# KiCad board SweetBusiness.kicad_pcb
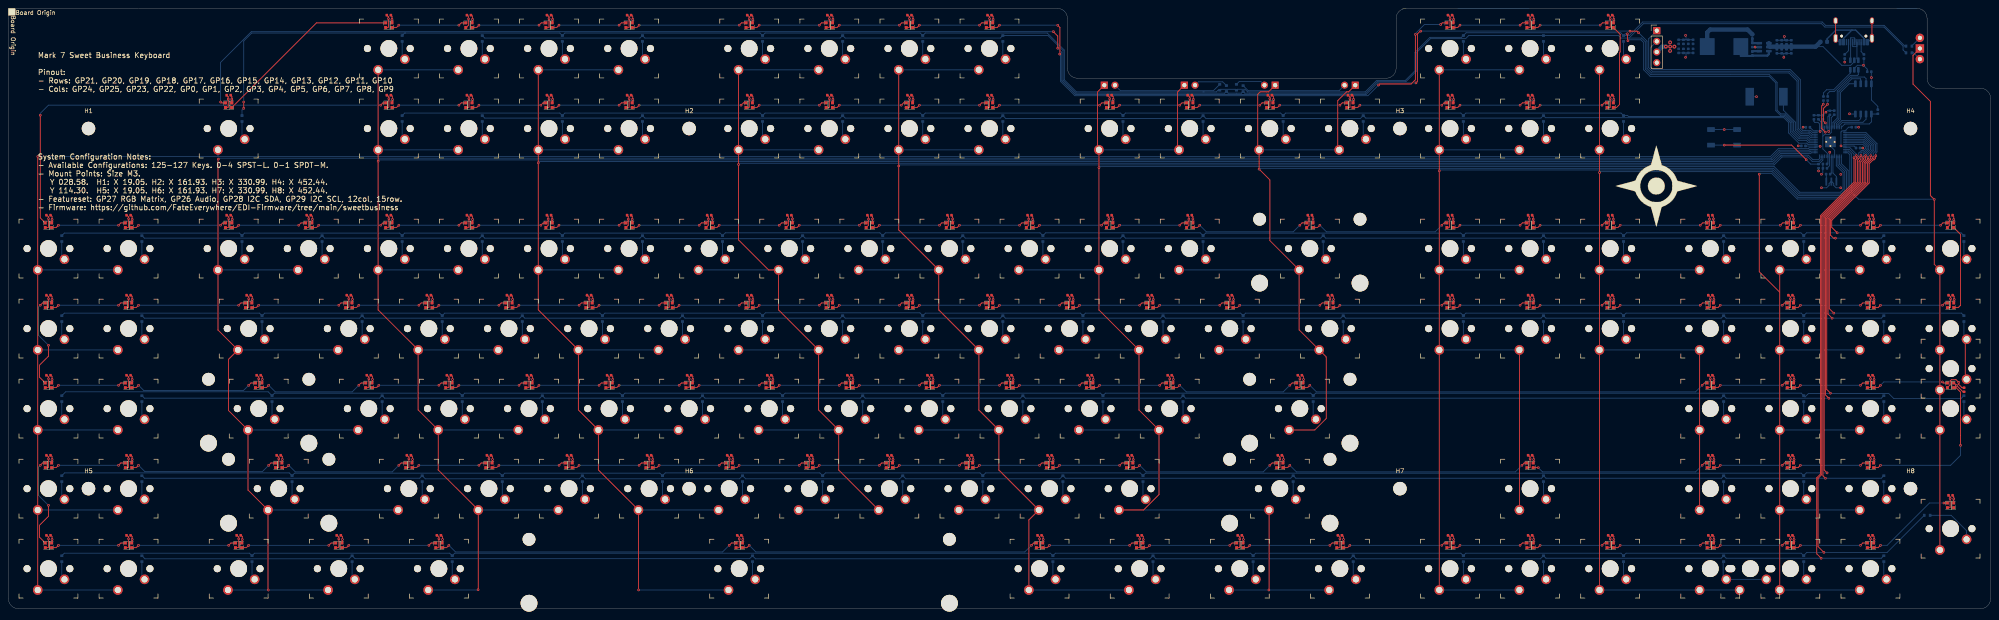
[diagram p0: board, top side]
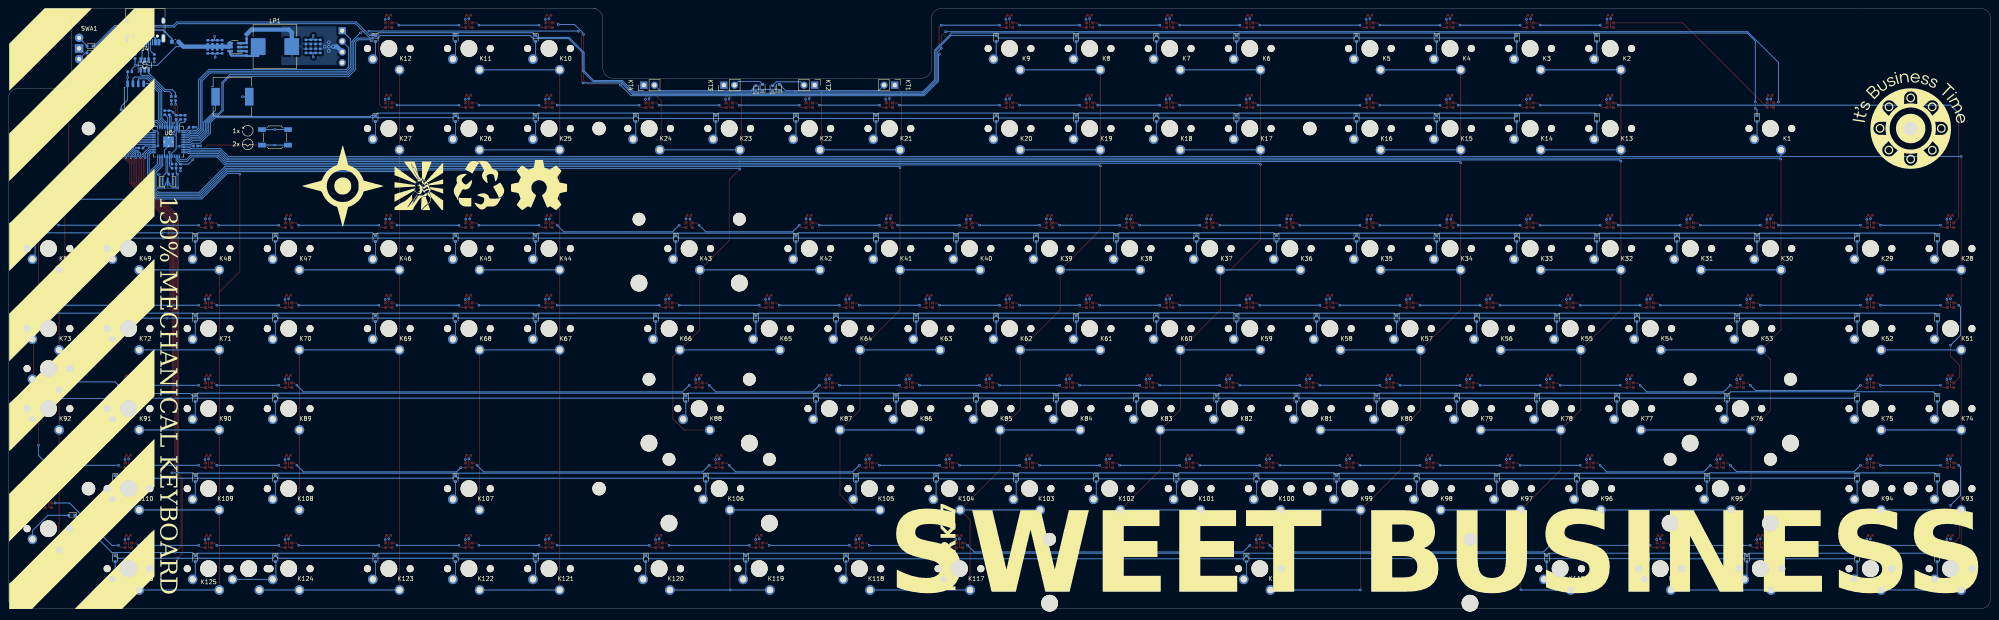
[diagram p1: board, bottom side, seen from below]

Outline 471.49 x 142.89 mm; copper layers: Top, In1.Cu (plane), In2.Cu (plane), Bottom. Coordinates in mm from the lower left corner of the outline.
Outline path: 30.96,142.88 2.38,142.88 arc(0.7,142.18) 0,140.49 0,2.38 arc(0.7,0.7) 2.38,0 469.11,0 arc(470.79,0.7) 471.49,2.38 471.49,121.5 arc(470.79,123.18) 469.11,123.88 458.77,123.88 ; 31.01,142.88 249.56,142.88 arc(251.21,142.19) 251.9,140.53 251.9,128.68 arc(252.6,126.98) 254.3,126.28 327.7,126.28 ; 330.09,128.68 330.09,140.49 arc(330.78,142.18) 332.47,142.88 ; 330.09,128.66 arc(329.39,126.97) 327.71,126.28 ; 331.56,142.88 454,142.89 arc(455.68,142.2) 456.38,140.51 ; 456.38,140.55 456.38,126.26 arc(457.08,124.57) 458.76,123.88
Stack: Top 0.035mm / dielectric 0.5mm FR4 er 4.5 / In1.Cu 0.035mm / dielectric 0.5mm FR4 er 4.5 / In2.Cu 0.035mm / dielectric 0.5mm FR4 er 4.5 / Bottom 0.035mm

## Placement (name value [footprint] x y rotation side)
C1  100nF  [Passive_0402_1005Metric]  433.25 118.05 90 bottom
C2  100nF  [Passive_0402_1005Metric]  438.94 114.62 0 bottom
C3  100nF  [Passive_0402_1005Metric]  439.96 109.66 0 bottom
C4  100nF  [Passive_0402_1005Metric]  432.09 104.84 180 bottom
C5  100nF  [Passive_0402_1005Metric]  426.97 110.16 180 bottom
C6  100nF  [Passive_0402_1005Metric]  428.02 114.59 180 bottom
C7  100nF  [Passive_0402_1005Metric]  429.47 116.98 90 bottom
C8  1uf  [Passive_0402_1005Metric]  430.54 116.98 90 bottom
C9  1uf  [Passive_0402_1005Metric]  431.6 116.98 90 bottom
C10  100nF  [Passive_0402_1005Metric]  432.09 105.85 180 bottom
C11  100nF  [Passive_0402_1005Metric]  434.3 118.07 90 bottom
CF1  100nF  [Passive_0402_1005Metric]  442.63 127.83 180 bottom
CP1  100nF  [Passive_0402_1005Metric]  414.81 132.14 270 bottom
CP2  22uf  [Passive_0402_1005Metric]  420.66 134.84 270 bottom
CP3  22uf  [Passive_0402_1005Metric]  421.8 134.84 270 bottom
CP4  22uf  [Passive_0402_1005Metric]  422.94 134.84 270 bottom
CP5  22uf  [Passive_0402_1005Metric]  424.08 134.84 270 bottom
CP6  22uf  [Passive_0402_1005Metric]  420.66 132.68 90 bottom
CP7  22uf  [Passive_0402_1005Metric]  421.8 132.68 90 bottom
CP8  22uf  [Passive_0402_1005Metric]  422.94 132.68 90 bottom
CP9  22uf  [Passive_0402_1005Metric]  424.08 132.68 90 bottom
CP10  22uf  [Passive_0402_1005Metric]  400.72 134.94 90 bottom
CP11  22uf  [Passive_0402_1005Metric]  399.57 134.94 90 bottom
CP12  22uf  [Passive_0402_1005Metric]  398.43 134.94 90 bottom
CP13  22uf  [Passive_0402_1005Metric]  397.29 134.94 90 bottom
CP14  22uf  [Passive_0402_1005Metric]  400.72 132.78 270 bottom
CP15  22uf  [Passive_0402_1005Metric]  399.57 132.78 270 bottom
CP16  22uf  [Passive_0402_1005Metric]  398.43 132.78 270 bottom
CP17  22uf  [Passive_0402_1005Metric]  397.29 132.78 270 bottom
D1  SOD-523  [D_SOD-523]  55.56 116.68 270 bottom
D2  SOD-523  [D_SOD-523]  93.66 135.73 270 bottom
D3  SOD-523  [D_SOD-523]  112.71 135.73 270 bottom
D4  SOD-523  [D_SOD-523]  131.76 135.73 270 bottom
D5  SOD-523  [D_SOD-523]  150.81 135.73 270 bottom
D6  SOD-523  [D_SOD-523]  179.39 135.73 270 bottom
D7  SOD-523  [D_SOD-523]  198.44 135.73 270 bottom
D8  SOD-523  [D_SOD-523]  217.49 135.73 270 bottom
D9  SOD-523  [D_SOD-523]  236.54 135.73 270 bottom
D10  SOD-523  [D_SOD-523]  346.07 135.73 270 bottom
D11  SOD-523  [D_SOD-523]  365.12 135.73 270 bottom
D12  SOD-523  [D_SOD-523]  384.18 135.73 270 bottom
D13  SOD-523  [D_SOD-523]  93.66 116.68 270 bottom
D14  SOD-523  [D_SOD-523]  112.71 116.68 270 bottom
D15  SOD-523  [D_SOD-523]  131.76 116.68 270 bottom
D16  SOD-523  [D_SOD-523]  150.81 116.68 270 bottom
D17  SOD-523  [D_SOD-523]  179.39 116.68 270 bottom
D18  SOD-523  [D_SOD-523]  198.44 116.68 270 bottom
D19  SOD-523  [D_SOD-523]  217.49 116.68 270 bottom
D20  SOD-523  [D_SOD-523]  236.54 116.68 270 bottom
D21  SOD-523  [D_SOD-523]  265.11 116.68 270 bottom
D22  SOD-523  [D_SOD-523]  284.16 116.68 270 bottom
D23  SOD-523  [D_SOD-523]  303.21 116.68 270 bottom
D24  SOD-523  [D_SOD-523]  322.26 116.68 270 bottom
D25  SOD-523  [D_SOD-523]  346.07 116.68 270 bottom
D26  SOD-523  [D_SOD-523]  365.12 116.68 270 bottom
D27  SOD-523  [D_SOD-523]  384.18 116.68 270 bottom
D28  SOD-523  [D_SOD-523]  12.7 88.11 270 bottom
D29  SOD-523  [D_SOD-523]  31.75 88.11 270 bottom
D30  SOD-523  [D_SOD-523]  55.56 88.11 270 bottom
D31  SOD-523  [D_SOD-523]  74.61 88.11 270 bottom
D32  SOD-523  [D_SOD-523]  93.66 88.11 270 bottom
D33  SOD-523  [D_SOD-523]  112.71 88.11 270 bottom
D34  SOD-523  [D_SOD-523]  131.76 88.11 270 bottom
D35  SOD-523  [D_SOD-523]  150.81 88.11 270 bottom
D36  SOD-523  [D_SOD-523]  169.86 88.11 270 bottom
D37  SOD-523  [D_SOD-523]  188.91 88.11 270 bottom
D38  SOD-523  [D_SOD-523]  207.96 88.11 270 bottom
D39  SOD-523  [D_SOD-523]  227.01 88.11 270 bottom
D40  SOD-523  [D_SOD-523]  246.06 88.11 270 bottom
D41  SOD-523  [D_SOD-523]  265.11 88.11 270 bottom
D42  SOD-523  [D_SOD-523]  284.16 88.11 270 bottom
D43  SOD-523  [D_SOD-523]  312.74 88.11 270 bottom
D44  SOD-523  [D_SOD-523]  346.07 88.11 270 bottom
D45  SOD-523  [D_SOD-523]  365.12 88.11 270 bottom
D46  SOD-523  [D_SOD-523]  384.18 88.11 270 bottom
D47  SOD-523  [D_SOD-523]  407.99 88.11 270 bottom
D48  SOD-523  [D_SOD-523]  427.04 88.11 270 bottom
D49  SOD-523  [D_SOD-523]  446.09 88.11 270 bottom
D50  SOD-523  [D_SOD-523]  465.14 88.11 270 bottom
D51  SOD-523  [D_SOD-523]  12.7 69.06 270 bottom
D52  SOD-523  [D_SOD-523]  31.75 69.06 270 bottom
D53  SOD-523  [D_SOD-523]  60.33 69.06 270 bottom
D54  SOD-523  [D_SOD-523]  84.14 69.06 270 bottom
D55  SOD-523  [D_SOD-523]  103.19 69.06 270 bottom
D56  SOD-523  [D_SOD-523]  122.24 69.06 270 bottom
D57  SOD-523  [D_SOD-523]  141.29 69.06 270 bottom
D58  SOD-523  [D_SOD-523]  160.34 69.06 270 bottom
D59  SOD-523  [D_SOD-523]  179.39 69.06 270 bottom
D60  SOD-523  [D_SOD-523]  198.44 69.06 270 bottom
D61  SOD-523  [D_SOD-523]  217.49 69.06 270 bottom
D62  SOD-523  [D_SOD-523]  236.54 69.06 270 bottom
D63  SOD-523  [D_SOD-523]  255.59 69.06 270 bottom
D64  SOD-523  [D_SOD-523]  274.64 69.06 270 bottom
D65  SOD-523  [D_SOD-523]  293.69 69.06 270 bottom
D66  SOD-523  [D_SOD-523]  317.5 69.06 270 bottom
D67  SOD-523  [D_SOD-523]  346.07 69.06 270 bottom
D68  SOD-523  [D_SOD-523]  365.12 69.06 270 bottom
D69  SOD-523  [D_SOD-523]  384.18 69.06 270 bottom
D70  SOD-523  [D_SOD-523]  407.99 69.06 270 bottom
D71  SOD-523  [D_SOD-523]  427.04 69.06 270 bottom
D72  SOD-523  [D_SOD-523]  446.09 69.06 270 bottom
D73  SOD-523  [D_SOD-523]  465.14 69.06 270 bottom
D74  SOD-523  [D_SOD-523]  12.7 50.01 270 bottom
D75  SOD-523  [D_SOD-523]  31.75 50.01 270 bottom
D76  SOD-523  [D_SOD-523]  62.71 50.01 270 bottom
D77  SOD-523  [D_SOD-523]  88.9 50.01 270 bottom
D78  SOD-523  [D_SOD-523]  107.95 50.01 270 bottom
D79  SOD-523  [D_SOD-523]  127 50.01 270 bottom
D80  SOD-523  [D_SOD-523]  146.05 50.01 270 bottom
D81  SOD-523  [D_SOD-523]  165.1 50.01 270 bottom
D82  SOD-523  [D_SOD-523]  184.15 50.01 270 bottom
D83  SOD-523  [D_SOD-523]  203.2 50.01 270 bottom
D84  SOD-523  [D_SOD-523]  222.25 50.01 270 bottom
D85  SOD-523  [D_SOD-523]  241.3 50.01 270 bottom
D86  SOD-523  [D_SOD-523]  260.35 50.01 270 bottom
D87  SOD-523  [D_SOD-523]  279.4 50.01 270 bottom
D88  SOD-523  [D_SOD-523]  310.36 50.01 270 bottom
D89  SOD-523  [D_SOD-523]  407.99 50.01 270 bottom
D90  SOD-523  [D_SOD-523]  427.04 50.01 270 bottom
D91  SOD-523  [D_SOD-523]  446.09 50.01 270 bottom
D92  SOD-523  [D_SOD-523]  465.14 50.01 270 bottom
D93  SOD-523  [D_SOD-523]  12.7 30.96 270 bottom
D94  SOD-523  [D_SOD-523]  31.75 30.96 270 bottom
D95  SOD-523  [D_SOD-523]  67.47 30.96 270 bottom
D96  SOD-523  [D_SOD-523]  98.43 30.96 270 bottom
D97  SOD-523  [D_SOD-523]  117.47 30.96 270 bottom
D98  SOD-523  [D_SOD-523]  136.53 30.96 270 bottom
D99  SOD-523  [D_SOD-523]  155.57 30.96 270 bottom
D100  SOD-523  [D_SOD-523]  174.62 30.96 270 bottom
D101  SOD-523  [D_SOD-523]  193.68 30.96 270 bottom
D102  SOD-523  [D_SOD-523]  212.73 30.96 270 bottom
D103  SOD-523  [D_SOD-523]  231.77 30.96 270 bottom
D104  SOD-523  [D_SOD-523]  250.82 30.96 270 bottom
D105  SOD-523  [D_SOD-523]  269.88 30.96 270 bottom
D106  SOD-523  [D_SOD-523]  305.59 30.96 270 bottom
D107  SOD-523  [D_SOD-523]  365.12 30.96 270 bottom
D108  SOD-523  [D_SOD-523]  407.99 30.96 270 bottom
D109  SOD-523  [D_SOD-523]  427.04 30.96 270 bottom
D110  SOD-523  [D_SOD-523]  446.09 30.96 270 bottom
D111  SOD-523  [D_SOD-523]  12.7 11.91 270 bottom
D112  SOD-523  [D_SOD-523]  31.75 11.91 270 bottom
D113  SOD-523  [D_SOD-523]  57.94 11.91 270 bottom
D114  SOD-523  [D_SOD-523]  81.76 11.91 270 bottom
D115  SOD-523  [D_SOD-523]  105.57 11.91 270 bottom
D116  SOD-523  [D_SOD-523]  177.01 11.91 270 bottom
D117  SOD-523  [D_SOD-523]  248.44 11.91 270 bottom
D118  SOD-523  [D_SOD-523]  272.26 11.91 270 bottom
D119  SOD-523  [D_SOD-523]  296.07 11.91 270 bottom
D120  SOD-523  [D_SOD-523]  319.88 11.91 270 bottom
D121  SOD-523  [D_SOD-523]  346.07 11.91 270 bottom
D122  SOD-523  [D_SOD-523]  365.12 11.91 270 bottom
D123  SOD-523  [D_SOD-523]  384.18 11.91 270 bottom
D124  SOD-523  [D_SOD-523]  407.99 11.91 270 bottom
D125  SOD-523  [D_SOD-523]  427.04 11.91 270 bottom
D126  SOD-523  [D_SOD-523]  446.09 11.91 270 bottom
D127  SOD-523  [D_SOD-523]  456.41 22.23 0 bottom
DA1  SOD-523  [D_SOD-523]  452.07 133.91 0 bottom
DA2  SOD-523  [D_SOD-523]  452.07 132.31 0 bottom
DT1  SOD-523  [D_SOD-523]  288.13 124.11 90 bottom
DT2  SOD-523  [D_SOD-523]  289.72 123.83 90 bottom
DT3  SOD-523  [D_SOD-523]  292.1 124.11 90 bottom
DT4  SOD-523  [D_SOD-523]  293.69 123.81 90 bottom
F1  6v 500ma  [Fuse_0603_1608Metric]  431.8 134.94 180 bottom
G***  EDI  [EDILogo]  391.97 100.61 0 top
G***#2  LOGO  [BusinessTime]  19.05 114.3 180 bottom
G***#3  LOGO  [sweethaz]  454.02 71.44 180 bottom
G***#4  EDI  [EDILogo]  391.97 100.61 180 bottom
G***#5  LOGO  [hackpgh]  373.86 100.61 180 bottom
G***#6  LOGO  [repair]  359.57 100.81 180 bottom
H1  Mount  [MountingHole_3.2mm_M3]  19.05 114.3 0 top
H2  Mount  [MountingHole_3.2mm_M3]  161.93 114.3 0 top
H3  Mount  [MountingHole_3.2mm_M3]  330.99 114.3 0 top
H4  Mount  [MountingHole_3.2mm_M3]  452.44 114.3 0 top
H5  Mount  [MountingHole_3.2mm_M3]  19.05 28.58 0 top
H6  Mount  [MountingHole_3.2mm_M3]  161.93 28.58 0 top
H7  Mount  [MountingHole_3.2mm_M3]  330.99 28.58 0 top
H8  Mount  [MountingHole_3.2mm_M3]  452.44 28.58 0 top
J2  I2C  [PinHeader_1x04_P2.54mm_Vertical]  392.08 137.59 0 top
J4  USB  [USB_C_Receptacle_HRO_TYPE-C-31-M-12]  438.94 138.91 0 bottom
K1  OmniSwitch  [SW_MX]  52.39 114.3 180 top
K2  OmniSwitch  [SW_MX]  90.49 133.35 180 top
K3  OmniSwitch  [SW_MX]  109.54 133.35 180 top
K4  OmniSwitch  [SW_MX]  128.59 133.35 180 top
K5  OmniSwitch  [SW_MX]  147.64 133.35 180 top
K6  OmniSwitch  [SW_MX]  176.21 133.35 180 top
K7  OmniSwitch  [SW_MX]  195.26 133.35 180 top
K8  OmniSwitch  [SW_MX]  214.31 133.35 180 top
K9  OmniSwitch  [SW_MX]  233.36 133.35 180 top
K10  OmniSwitch  [SW_MX]  342.9 133.35 180 top
K11  OmniSwitch  [SW_MX]  361.95 133.35 180 top
K12  OmniSwitch  [SW_MX]  381 133.35 180 top
K13  OmniSwitch  [SW_MX]  90.49 114.3 180 top
K14  OmniSwitch  [SW_MX]  109.54 114.3 180 top
K15  OmniSwitch  [SW_MX]  128.59 114.3 180 top
K16  OmniSwitch  [SW_MX]  147.64 114.3 180 top
K17  OmniSwitch  [SW_MX]  176.21 114.3 180 top
K18  OmniSwitch  [SW_MX]  195.26 114.3 180 top
K19  OmniSwitch  [SW_MX]  214.31 114.3 180 top
K20  OmniSwitch  [SW_MX]  233.36 114.3 180 top
K21  OmniSwitch  [SW_MX]  261.94 114.3 180 top
K22  OmniSwitch  [SW_MX]  280.99 114.3 180 top
K23  OmniSwitch  [SW_MX]  300.04 114.3 180 top
K24  OmniSwitch  [SW_MX]  319.09 114.3 180 top
K25  OmniSwitch  [SW_MX]  342.9 114.3 180 top
K26  OmniSwitch  [SW_MX]  361.95 114.3 180 top
K27  OmniSwitch  [SW_MX]  381 114.3 180 top
K28  OmniSwitch  [SW_MX]  9.53 85.73 180 top
K29  OmniSwitch  [SW_MX]  28.58 85.73 180 top
K30  OmniSwitch  [SW_MX]  52.39 85.73 180 top
K31  OmniSwitch  [SW_MX]  71.44 85.73 180 top
K32  OmniSwitch  [SW_MX]  90.49 85.73 180 top
K33  OmniSwitch  [SW_MX]  109.54 85.73 180 top
K34  OmniSwitch  [SW_MX]  128.59 85.73 180 top
K35  OmniSwitch  [SW_MX]  147.64 85.73 180 top
K36  OmniSwitch  [SW_MX]  166.69 85.73 180 top
K37  OmniSwitch  [SW_MX]  185.74 85.73 180 top
K38  OmniSwitch  [SW_MX]  204.79 85.73 180 top
K39  OmniSwitch  [SW_MX]  223.84 85.73 180 top
K40  OmniSwitch  [SW_MX]  242.89 85.73 180 top
K41  OmniSwitch  [SW_MX]  261.94 85.73 180 top
K42  OmniSwitch  [SW_MX]  280.99 85.73 180 top
K43  OmniSwitch  [SW_MX]  309.56 85.73 180 top
K44  OmniSwitch  [SW_MX]  342.9 85.73 180 top
K45  OmniSwitch  [SW_MX]  361.95 85.73 180 top
K46  OmniSwitch  [SW_MX]  381 85.73 180 top
K47  OmniSwitch  [SW_MX]  404.81 85.73 180 top
K48  OmniSwitch  [SW_MX]  423.86 85.73 180 top
K49  OmniSwitch  [SW_MX]  442.91 85.73 180 top
K50  OmniSwitch  [SW_MX]  461.96 85.73 180 top
K51  OmniSwitch  [SW_MX]  9.53 66.68 180 top
K52  OmniSwitch  [SW_MX]  28.58 66.68 180 top
K53  OmniSwitch  [SW_MX]  57.15 66.68 180 top
K54  OmniSwitch  [SW_MX]  80.96 66.68 180 top
K55  OmniSwitch  [SW_MX]  100.01 66.68 180 top
K56  OmniSwitch  [SW_MX]  119.06 66.68 180 top
K57  OmniSwitch  [SW_MX]  138.11 66.68 180 top
K58  OmniSwitch  [SW_MX]  157.16 66.68 180 top
K59  OmniSwitch  [SW_MX]  176.21 66.68 180 top
K60  OmniSwitch  [SW_MX]  195.26 66.68 180 top
K61  OmniSwitch  [SW_MX]  214.31 66.68 180 top
K62  OmniSwitch  [SW_MX]  233.36 66.68 180 top
K63  OmniSwitch  [SW_MX]  252.41 66.68 180 top
K64  OmniSwitch  [SW_MX]  271.46 66.68 180 top
K65  OmniSwitch  [SW_MX]  290.51 66.68 180 top
K66  OmniSwitch  [SW_MX]  314.32 66.68 180 top
K67  OmniSwitch  [SW_MX]  342.9 66.68 180 top
K68  OmniSwitch  [SW_MX]  361.95 66.68 180 top
K69  OmniSwitch  [SW_MX]  381 66.68 180 top
K70  OmniSwitch  [SW_MX]  404.81 66.68 180 top
K71  OmniSwitch  [SW_MX]  423.86 66.68 180 top
K72  OmniSwitch  [SW_MX]  442.91 66.68 180 top
K73  OmniSwitch  [SW_MX]  461.96 66.68 180 top
K73.2  OmniSwitch  [SW_MX]  461.96 57.15 180 top
K74  OmniSwitch  [SW_MX]  9.53 47.62 180 top
K75  OmniSwitch  [SW_MX]  28.58 47.62 180 top
K76  OmniSwitch  [SW_MX]  59.53 47.62 180 top
K77  OmniSwitch  [SW_MX]  85.72 47.62 180 top
K78  OmniSwitch  [SW_MX]  104.78 47.62 180 top
K79  OmniSwitch  [SW_MX]  123.82 47.62 180 top
K80  OmniSwitch  [SW_MX]  142.88 47.62 180 top
K81  OmniSwitch  [SW_MX]  161.93 47.62 180 top
K82  OmniSwitch  [SW_MX]  180.97 47.62 180 top
K83  OmniSwitch  [SW_MX]  200.02 47.62 180 top
K84  OmniSwitch  [SW_MX]  219.07 47.62 180 top
K85  OmniSwitch  [SW_MX]  238.12 47.62 180 top
K86  OmniSwitch  [SW_MX]  257.18 47.62 180 top
K87  OmniSwitch  [SW_MX]  276.23 47.62 180 top
K88  OmniSwitch  [SW_MX]  307.18 47.62 180 top
K89  OmniSwitch  [SW_MX]  404.81 47.62 180 top
K90  OmniSwitch  [SW_MX]  423.86 47.62 180 top
K91  OmniSwitch  [SW_MX]  442.91 47.62 180 top
K92  OmniSwitch  [SW_MX]  461.96 47.62 180 top
K93  OmniSwitch  [SW_MX]  9.53 28.58 180 top
K94  OmniSwitch  [SW_MX]  28.58 28.58 180 top
K95  OmniSwitch  [SW_MX]  64.29 28.58 180 top
K96  OmniSwitch  [SW_MX]  95.25 28.58 180 top
K97  OmniSwitch  [SW_MX]  114.3 28.58 180 top
K98  OmniSwitch  [SW_MX]  133.35 28.58 180 top
K99  OmniSwitch  [SW_MX]  152.4 28.58 180 top
K100  OmniSwitch  [SW_MX]  171.45 28.58 180 top
K101  OmniSwitch  [SW_MX]  190.5 28.58 180 top
K102  OmniSwitch  [SW_MX]  209.55 28.58 180 top
K103  OmniSwitch  [SW_MX]  228.6 28.58 180 top
K104  OmniSwitch  [SW_MX]  247.65 28.58 180 top
K105  OmniSwitch  [SW_MX]  266.7 28.58 180 top
K106  OmniSwitch  [SW_MX]  302.42 28.58 180 top
K107  OmniSwitch  [SW_MX]  361.95 28.58 180 top
K108  OmniSwitch  [SW_MX]  404.81 28.58 180 top
K109  OmniSwitch  [SW_MX]  423.86 28.58 180 top
K110  OmniSwitch  [SW_MX]  442.91 28.58 180 top
K111  OmniSwitch  [SW_MX]  9.53 9.53 180 top
K112  OmniSwitch  [SW_MX]  28.58 9.53 180 top
K113  OmniSwitch  [SW_MX]  54.77 9.53 180 top
K114  OmniSwitch  [SW_MX]  78.58 9.53 180 top
K115  OmniSwitch  [SW_MX]  102.39 9.53 180 top
K116  OmniSwitch  [SW_MX]  173.83 9.53 180 top
K117  OmniSwitch  [SW_MX]  245.27 9.53 180 top
K118  OmniSwitch  [SW_MX]  269.08 9.53 180 top
K119  OmniSwitch  [SW_MX]  292.89 9.53 180 top
K120  OmniSwitch  [SW_MX]  316.71 9.53 180 top
K121  OmniSwitch  [SW_MX]  342.9 9.53 180 top
K122  OmniSwitch  [SW_MX]  361.95 9.53 180 top
K123  OmniSwitch  [SW_MX]  381 9.53 180 top
K124  OmniSwitch  [SW_MX#4]  404.81 9.53 180 top
K124.2  OmniSwitch  [SW_MX#3]  414.34 9.53 180 top
K125  OmniSwitch  [SW_MX#2]  423.86 9.53 180 top
K126  OmniSwitch  [SW_MX]  442.91 9.53 180 top
K127  OmniSwitch  [SW_MX]  461.96 19.05 180 top
KT1  OmniSwitch  [PinHeader_1x02_P2.54mm_Vertical]  260.66 124.62 270 bottom
KT2  OmniSwitch  [PinHeader_1x02_P2.54mm_Vertical]  279.71 124.62 270 bottom
KT3  OmniSwitch  [PinHeader_1x02_P2.54mm_Vertical]  301.31 124.62 90 bottom
KT4  OmniSwitch  [PinHeader_1x02_P2.54mm_Vertical]  320.36 124.62 90 bottom
LC1  100nF  [Passive_0402_1005Metric]  52.39 122.24 180 top
LC2  100nF  [Passive_0402_1005Metric]  90.49 141.29 180 top
LC3  100nF  [Passive_0402_1005Metric]  109.54 141.29 180 top
LC4  100nF  [Passive_0402_1005Metric]  128.59 141.29 180 top
LC5  100nF  [Passive_0402_1005Metric]  147.64 141.29 180 top
LC6  100nF  [Passive_0402_1005Metric]  176.21 141.29 180 top
LC7  100nF  [Passive_0402_1005Metric]  195.26 141.29 180 top
LC8  100nF  [Passive_0402_1005Metric]  214.31 141.29 180 top
LC9  100nF  [Passive_0402_1005Metric]  233.36 141.29 180 top
LC10  100nF  [Passive_0402_1005Metric]  342.9 141.29 180 top
LC11  100nF  [Passive_0402_1005Metric]  361.95 141.29 180 top
LC12  100nF  [Passive_0402_1005Metric]  381 141.29 180 top
LC13  100nF  [Passive_0402_1005Metric]  90.49 122.24 0 top
LC14  100nF  [Passive_0402_1005Metric]  109.54 122.24 0 top
LC15  100nF  [Passive_0402_1005Metric]  128.59 122.24 0 top
LC16  100nF  [Passive_0402_1005Metric]  147.64 122.24 0 top
LC17  100nF  [Passive_0402_1005Metric]  176.21 122.24 0 top
LC18  100nF  [Passive_0402_1005Metric]  195.26 122.24 0 top
LC19  100nF  [Passive_0402_1005Metric]  214.31 122.24 0 top
LC20  100nF  [Passive_0402_1005Metric]  233.36 122.24 0 top
LC21  100nF  [Passive_0402_1005Metric]  261.94 122.24 0 top
LC22  100nF  [Passive_0402_1005Metric]  280.99 122.24 0 top
LC23  100nF  [Passive_0402_1005Metric]  300.04 122.24 0 top
LC24  100nF  [Passive_0402_1005Metric]  319.09 122.24 0 top
LC25  100nF  [Passive_0402_1005Metric]  342.9 122.24 0 top
LC26  100nF  [Passive_0402_1005Metric]  361.95 122.24 0 top
LC27  100nF  [Passive_0402_1005Metric]  381 122.24 0 top
LC28  100nF  [Passive_0402_1005Metric]  9.53 93.66 180 top
LC29  100nF  [Passive_0402_1005Metric]  28.58 93.66 180 top
LC30  100nF  [Passive_0402_1005Metric]  52.39 93.66 180 top
LC31  100nF  [Passive_0402_1005Metric]  71.44 93.66 180 top
LC32  100nF  [Passive_0402_1005Metric]  90.49 93.66 180 top
LC33  100nF  [Passive_0402_1005Metric]  109.54 93.66 180 top
LC34  100nF  [Passive_0402_1005Metric]  128.59 93.66 180 top
LC35  100nF  [Passive_0402_1005Metric]  147.64 93.66 180 top
LC36  100nF  [Passive_0402_1005Metric]  166.69 93.66 180 top
LC37  100nF  [Passive_0402_1005Metric]  185.74 93.66 180 top
LC38  100nF  [Passive_0402_1005Metric]  204.79 93.66 180 top
LC39  100nF  [Passive_0402_1005Metric]  223.84 93.66 180 top
LC40  100nF  [Passive_0402_1005Metric]  242.89 93.66 180 top
LC41  100nF  [Passive_0402_1005Metric]  261.94 93.66 180 top
LC42  100nF  [Passive_0402_1005Metric]  280.99 93.66 180 top
LC43  100nF  [Passive_0402_1005Metric]  309.56 93.66 180 top
LC44  100nF  [Passive_0402_1005Metric]  342.9 93.66 180 top
LC45  100nF  [Passive_0402_1005Metric]  361.95 93.66 180 top
LC46  100nF  [Passive_0402_1005Metric]  381 93.66 180 top
LC47  100nF  [Passive_0402_1005Metric]  404.81 93.66 180 top
LC48  100nF  [Passive_0402_1005Metric]  423.86 93.66 180 top
LC49  100nF  [Passive_0402_1005Metric]  442.91 93.66 180 top
LC50  100nF  [Passive_0402_1005Metric]  461.96 93.66 180 top
LC51  100nF  [Passive_0402_1005Metric]  9.53 74.61 0 top
LC52  100nF  [Passive_0402_1005Metric]  28.58 74.61 0 top
LC53  100nF  [Passive_0402_1005Metric]  57.15 74.61 0 top
LC54  100nF  [Passive_0402_1005Metric]  80.96 74.61 0 top
LC55  100nF  [Passive_0402_1005Metric]  100.01 74.61 0 top
LC56  100nF  [Passive_0402_1005Metric]  119.06 74.61 0 top
LC57  100nF  [Passive_0402_1005Metric]  138.11 74.61 0 top
LC58  100nF  [Passive_0402_1005Metric]  157.16 74.61 0 top
LC59  100nF  [Passive_0402_1005Metric]  176.21 74.61 0 top
LC60  100nF  [Passive_0402_1005Metric]  195.26 74.61 0 top
LC61  100nF  [Passive_0402_1005Metric]  214.31 74.61 0 top
LC62  100nF  [Passive_0402_1005Metric]  233.36 74.61 0 top
LC63  100nF  [Passive_0402_1005Metric]  252.41 74.61 0 top
LC64  100nF  [Passive_0402_1005Metric]  271.46 74.61 0 top
LC65  100nF  [Passive_0402_1005Metric]  290.51 74.61 0 top
LC66  100nF  [Passive_0402_1005Metric]  314.32 74.61 0 top
LC67  100nF  [Passive_0402_1005Metric]  342.9 74.61 0 top
LC68  100nF  [Passive_0402_1005Metric]  361.95 74.61 0 top
LC69  100nF  [Passive_0402_1005Metric]  381 74.61 0 top
LC70  100nF  [Passive_0402_1005Metric]  404.81 74.61 0 top
LC71  100nF  [Passive_0402_1005Metric]  423.86 74.61 0 top
LC72  100nF  [Passive_0402_1005Metric]  442.91 74.61 0 top
LC73  100nF  [Passive_0402_1005Metric]  461.96 74.61 0 top
LC74  100nF  [Passive_0402_1005Metric]  9.53 55.56 180 top
LC75  100nF  [Passive_0402_1005Metric]  28.58 55.56 180 top
LC76  100nF  [Passive_0402_1005Metric]  59.53 55.56 180 top
LC77  100nF  [Passive_0402_1005Metric]  85.72 55.56 180 top
LC78  100nF  [Passive_0402_1005Metric]  104.78 55.56 180 top
LC79  100nF  [Passive_0402_1005Metric]  123.82 55.56 180 top
LC80  100nF  [Passive_0402_1005Metric]  142.88 55.56 180 top
LC81  100nF  [Passive_0402_1005Metric]  161.93 55.56 180 top
LC82  100nF  [Passive_0402_1005Metric]  180.97 55.56 180 top
LC83  100nF  [Passive_0402_1005Metric]  200.02 55.56 180 top
LC84  100nF  [Passive_0402_1005Metric]  219.07 55.56 180 top
LC85  100nF  [Passive_0402_1005Metric]  238.12 55.56 180 top
LC86  100nF  [Passive_0402_1005Metric]  257.18 55.56 180 top
LC87  100nF  [Passive_0402_1005Metric]  276.23 55.56 180 top
LC88  100nF  [Passive_0402_1005Metric]  307.18 55.56 180 top
LC89  100nF  [Passive_0402_1005Metric]  404.81 55.56 180 top
LC90  100nF  [Passive_0402_1005Metric]  423.86 55.56 180 top
LC91  100nF  [Passive_0402_1005Metric]  442.91 55.56 180 top
LC92  100nF  [Passive_0402_1005Metric]  465.17 52.11 90 top
LC93  100nF  [Passive_0402_1005Metric]  9.53 36.51 0 top
LC94  100nF  [Passive_0402_1005Metric]  28.58 36.51 0 top
LC95  100nF  [Passive_0402_1005Metric]  64.29 36.51 0 top